# Altium PCB base-board_2.PcbDoc (part 2 of 3) (continued)
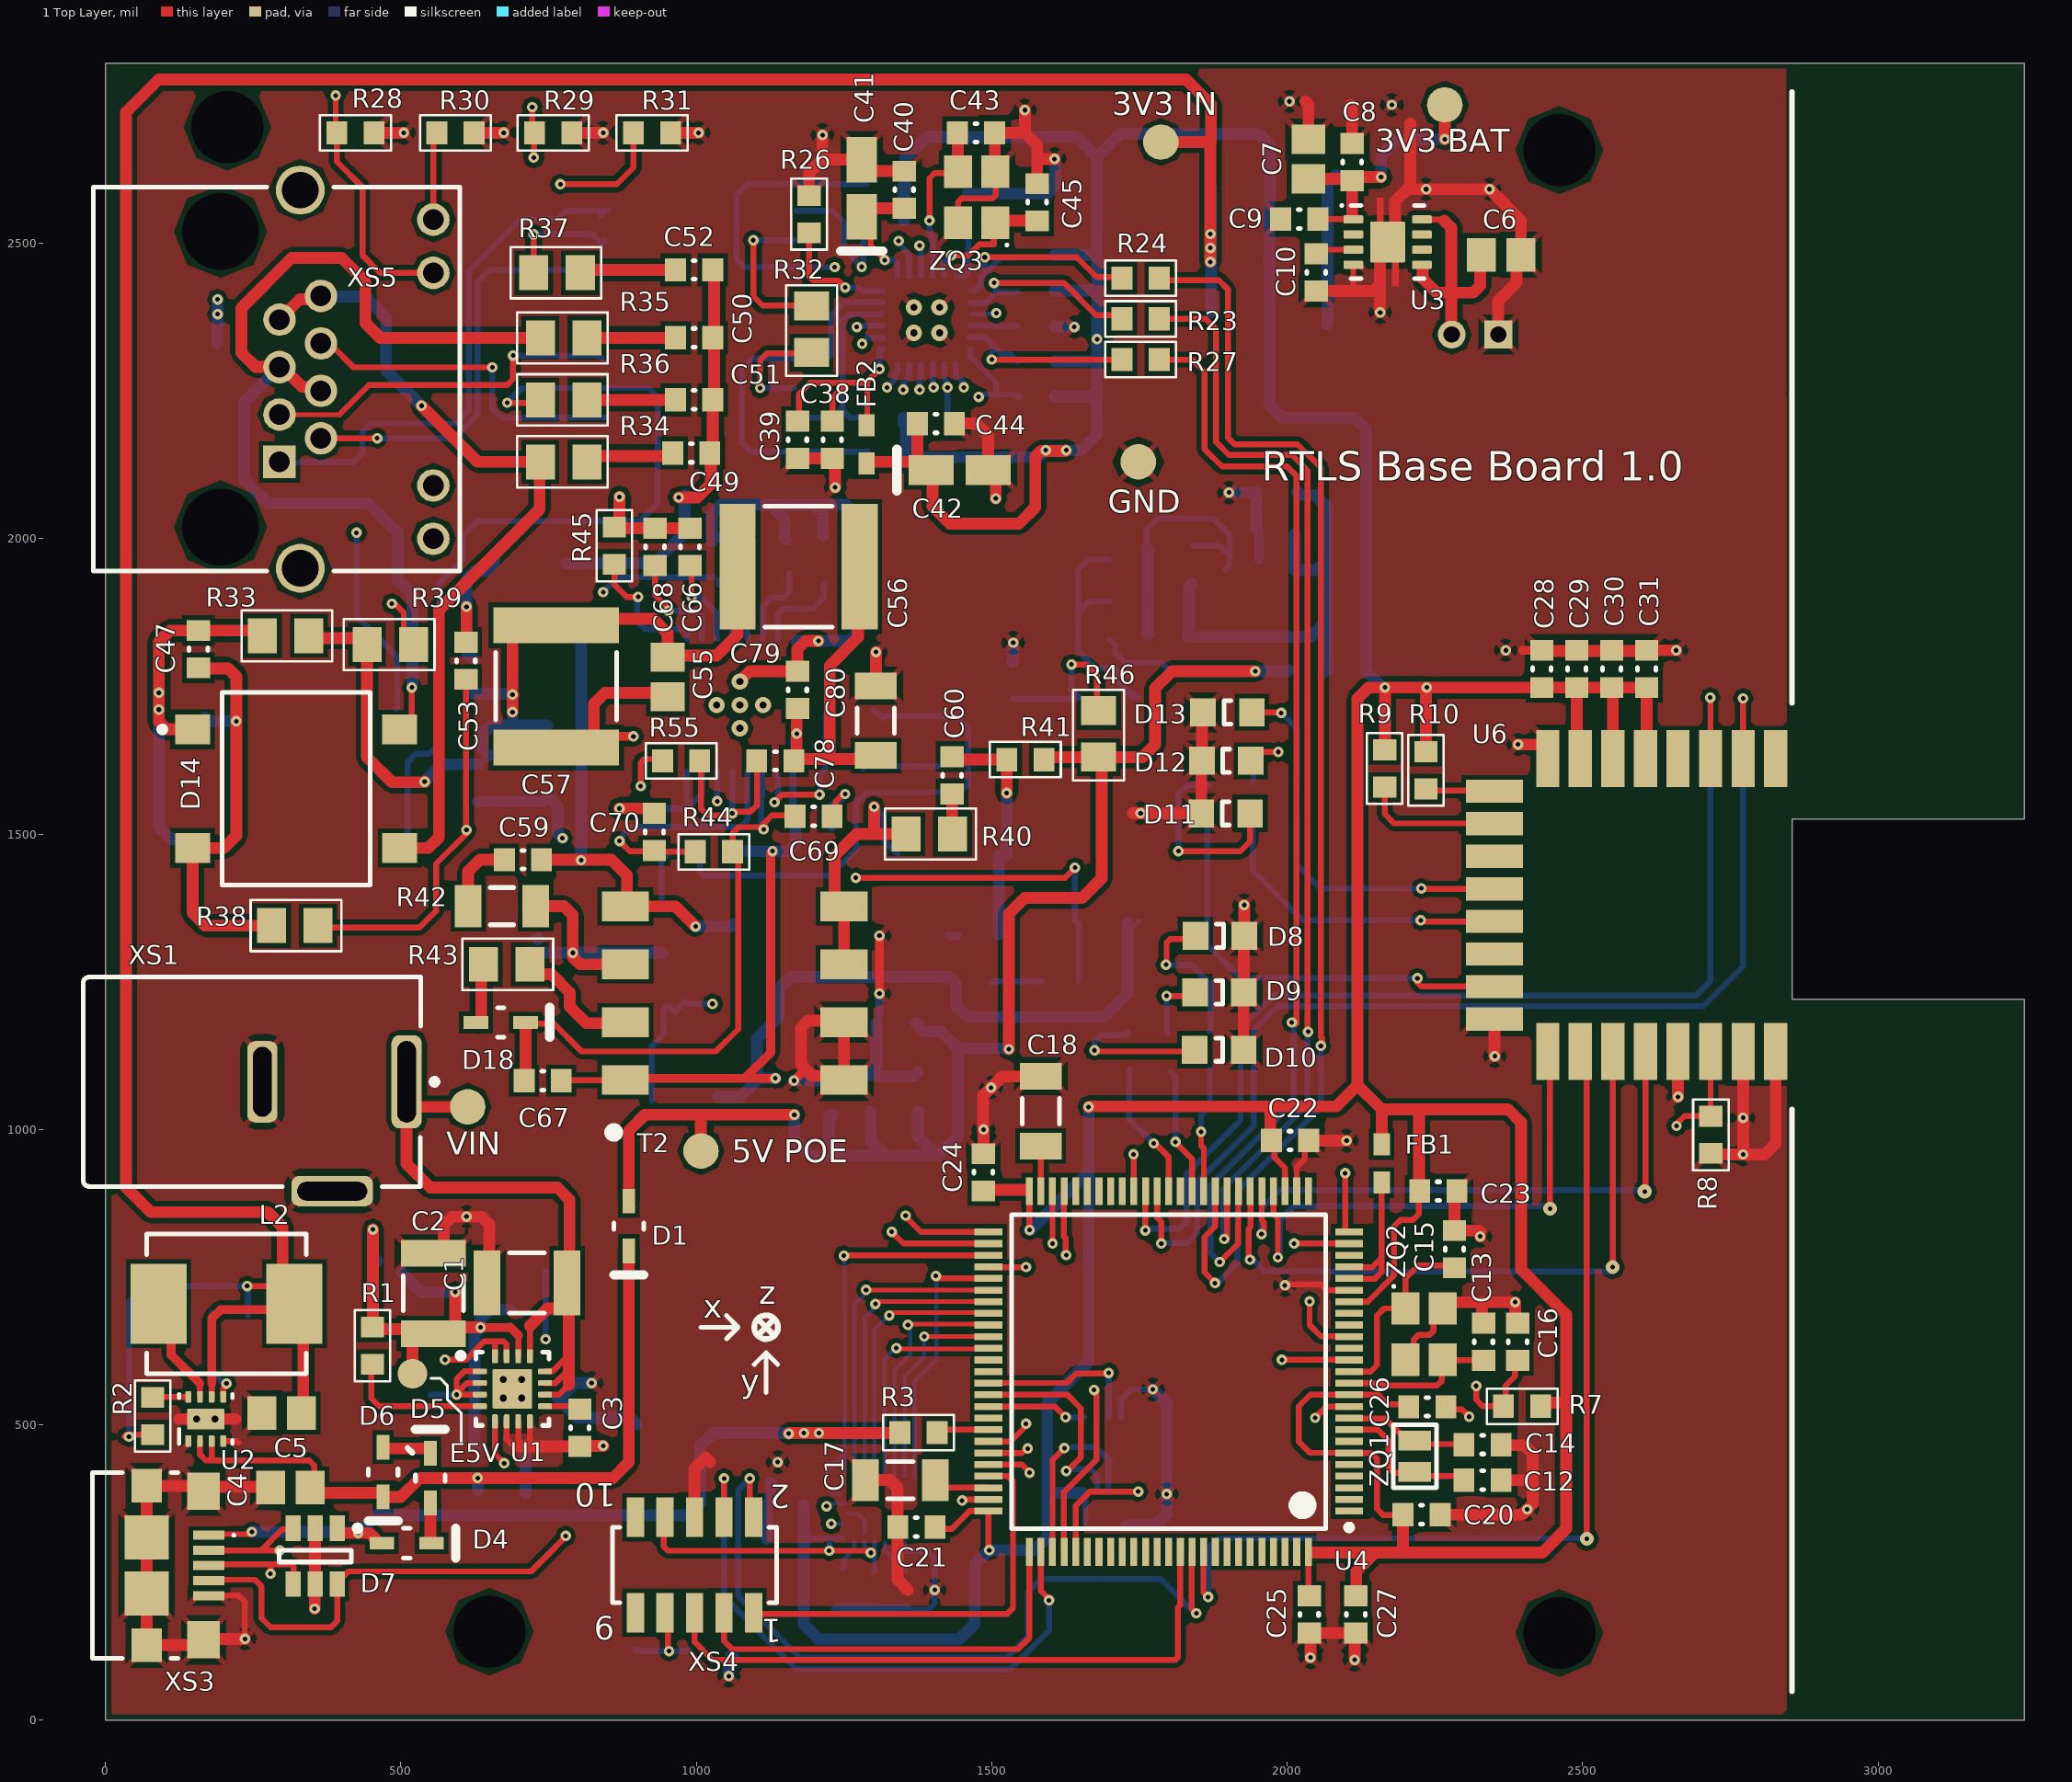
[diagram p0: 1 Top Layer view]
## Nets (pads, with @x,y where several pads share a name; then routed paths per layer and width w, separated by ;. In a path a pad name is that pad's centre, name@x,y a point inside that pad or via, vN(x,y) a via of type N, cw(c..) or ccw(c..) an arc to the next point about the centre after c; other vN are vias at no path point) (continued)
NetC72_2: C72.2 R39.1 U9.4 | length 757.7
  1 Top Layer w10: v1(485,1890) 490,1890 505,1875 505,1837.52 R39.1@521.65,1820.87
  2 Signal Layer w10: v1(485,1890) 540,1890 560,1910 841.97,1910 v1(842.52,1909.45)
  4 Bottom Layer w10: v1(842.52,1909.45) 868.11,1935.04 C72.2@1028.54,1935.04 ; C72.2@1038.39,1929.13 1038.39,1922.24 1061.02,1899.61 U9.4@1061.02,1830.71
NetC73_2: C73.2 U9.6 | length 142.1
  4 Bottom Layer w10: U9.6@1112.2,1830.71 1112.2,1884.84 1126.97,1899.61 1127.25,1899.89 1147.92,1899.89 1157.48,1909.45 C73.2@1157.48,1941.93
NetC74_1: C74.1 R54.2 R56.1 R59.1 R60.1 U11.4 | length 809.4
  4 Bottom Layer w20: R56.1@1832,1833.5 2039.5,1833.5 2068,1862 ; R56.1@1834,1834.5 1834,1918 C74.1@1839,1923 ; R59.1@2013,2008 2013,1946.85 2049.85,1946.85 2068,1965 ; R60.1@2017,2080 2023,2074 2047,2074 2068,2053 2068,1965 ; R54.2@2061.08,1773.09 R54.2@2068,1780.02 ; R54.2@2069,1778 2068,1779 R54.2@2068,1780.02 ; R54.2@2068,1780.02 2068,1862 ; 2068,1862 2068,1965
NetC74_2: C74.2 C76.1 C77.1 R53.1 U11.3 | length 474.1
  4 Bottom Layer w10: R53.1@1762,1983 1762,2015 1781,2034 1875,2034 1902,2007 1902,1971 ; C74.2@1840,1988 1885,1988 1894.68,1978.31 1902,1971 ; U11.3@1894.68,1946.85 1902,1954.17 1902,1971
  4 Bottom Layer w20: R53.1@1762.5,1983 1764,1981.5 C76.1@1764,1891.01 ; C76.1@1762.99,1894 1764,1893 C76.1@1764,1891 ; C77.1@1765,1838 1764,1839 C76.1@1764,1891 ; C76.1@1765,1890 C76.1@1764,1891
NetC75_2: C75.2 R48.1 | length 86.3
  4 Bottom Layer w10: C75.2@1499,1249 C75.2@1500,1250 1501,1251 R48.1@1584.5,1251
NetC76_2: C76.2 R53.2 U10.2 | length 430
  4 Bottom Layer w10: C76.2@1698,1894 1665,1894 1646,1875 ; R53.2@1698,1964 1663,1964 1646,1947 1646,1875 ; U10.2@1717.96,1755.52 U10.2@1723,1750.48 ; U10.2@1739,1739 1734.48,1739 U10.2@1723,1750.48 ; U10.2@1748,1730.5 1738.5,1730.5 1723,1746 U10.2@1723,1750.48 ; 1646,1875 1646,1810 1675.5,1780.5 1707.69,1780.5 1723,1765.19 U10.2@1723,1750.48
NetC77_2: C77.2 R56.2 | length 168.4
  4 Bottom Layer w10: C77.2@1700,1829 1709,1820 1709,1806.75 1725.75,1790 1788,1790 1806,1772 R56.2@1837,1772
NetC78_2: C78.2 R55.1 U9.13 | length 339.3
  1 Top Layer w10: R55.1@1008,1626 1008,1543 1019.5,1531.5 1057.5,1531.5 v1(1061,1535) 1063.68,1537.68 1091.68,1537.68 1103,1549 C78.2@1103,1627
  4 Bottom Layer w10: v1(1061,1535) U9.13@1061.02,1606.3
NetD2_2: D2.2 D3.1 | length 77.8
  4 Bottom Layer w20: D2.2@711.42,462.6 711.42,385.04 D3.1@711.61,384.84
NetD4_2: D4.2 D5.1 | length 65.7
  1 Top Layer w20: D5.1@550,367.87 550,305 D4.2@552,303
NetD5_2: D5.2 D6.1 | length 87.5
  1 Top Layer w20: D6.1@470,460 549.37,460 550,459.37 D5.2@550,452.13
NetD8_2: D8.2 R4.1 | length 260
  1 Top Layer w10: v1(1795,1279) 1796,1280 1796,1316.14 1801.86,1322 1839.01,1322 D8.2@1844.93,1327.92
  4 Bottom Layer w10: v1(1795,1279) 1838,1279 1870,1247 1870,1168 R4.1@1869,1167
NetD9_2: D9.2 R5.1 | length 114.3
  1 Top Layer w10: v1(1796,1226) 1838,1226 D9.2@1844,1232
  4 Bottom Layer w10: v1(1796,1226) 1796,1165 R5.1@1798,1163
NetD10_2: D10.2 R6.1 | length 250.4
  1 Top Layer w10: v1(1674,1134) 1676,1132 1840.66,1132 D10.2@1843.66,1135
  4 Bottom Layer w10: v1(1674,1134) 1674,1149 1685,1160 1726,1160 R6.1@1731,1165
NetD11_2: D11.2 R11.1 | length 332
  1 Top Layer w10: v1(1816,1471) 1921,1471 1937.34,1487.34 D11.2@1937.34,1535
  4 Bottom Layer w10: v1(1816,1471) 1816,1568 1831,1583 R11.1@1869,1583
NetD12_2: D12.2 R12.1 | length 138.1
  1 Top Layer w10: D12.2@1938.34,1624 1953.34,1639 v1(1985,1639)
  4 Bottom Layer w10: R12.1@1942,1588 1943,1589 1943,1625 1957,1639 v1(1985,1639)
NetD13_2: D13.2 R13.1 | length 176.3
  1 Top Layer w10: D13.2@1940.34,1706 1989,1706 v1(1990,1705)
  4 Bottom Layer w10: v1(1990,1705) 2017,1678 R13.1@2017,1590
NetD14_3: D14.3 R34.2 XS5.7 XS5.8 | length 1411.6
  1 Top Layer w20: XS5.7@294.76,2370.71 329.18,2405.13 360.13,2405.13 XS5.8@365,2410 ; D14.3@498.03,1476.38 546.38,1476.38 564.45,1494.45 564.45,1879.45 735,2050 R34.2@735,2130 ; v2(535,2225) 630,2130 R34.2@735,2130 ; R34.2@736.26,2130 R34.2@735,2130
  4 Bottom Layer w20: XS5.8@360,2410 440,2410 475,2375 475,2285 v2(535,2225)
NetD14_4: D14.4 R35.2 XS5.4 XS5.5 | length 1781.8
  1 Top Layer w10: D14.4@498.03,1677.17 518.7,1697.83 v1(518.7,1748.03)
  1 Top Layer w20: XS5.5@294.76,2290.39 294.14,2291.02 253.98,2291.02 230,2315 230,2390 315,2475 400,2475 440,2435 440,2365 465,2340 R35.2@736.26,2340 R35.2@745,2340 ; XS5.5@300,2290 333.04,2256.96 358.12,2256.96 XS5.4@364.84,2250.24 ; XS5.4@348.62,2255.98 355,2249.6 XS5.4@355,2240
  4 Bottom Layer w10: v1(518.7,1748.03) 518.7,1775.59
  4 Bottom Layer w20: XS5.5@294.76,2290.39 235,2230.63 235,2100 275,2060 445,2060 495,2010 495,1930 520,1905 v1@520,1755
NetD15_3: D15.3 R37.2 T1.15 | length 1323.7
  1 Top Layer w10: R37.2@725,2455 v1(725,2515)
  2 Signal Layer w10: v2(425,2010) 425,2345 450,2370 700,2370 725,2395 v1(725,2515)
  4 Bottom Layer w10: v2(425,2010) 425,1869.29 494.09,1800.2 494.09,1713.84 D15.3@492.13,1711.87 ; D15.3@485.47,1691.07 492.13,1684.42 D15.3@492.13,1670.28 ; v1(725,2515) 825,2515 840,2500 T1.15@845,2505 ; T1.15@840.35,2499.02 T1.15@846.46,2505.12
NetD15_4: D15.4 R36.2 T1.10 | length 1431.1
  1 Top Layer w10: v2(680,2230) 731.26,2230 R36.2@736.26,2235
  4 Bottom Layer w10: D15.4@510,1489.21 511.39,1490.6 511.39,1621.62 525.59,1635.83 548.23,1635.83 565,1652.6 565,1925 605,1965 605,2005 630,2030 905,2030 935,2060 935,2240 920,2255 705,2255 v2(680,2230)
NetD18_1: D18.1 R43.1 | length 107.4
  1 Top Layer w10: 636,1248.03 R43.1@636,1280
  1 Top Layer w20: D18.1@627.17,1181.1 635.37,1181.1 636,1181.73 636,1248.03
NetD19_1: D19.1 R50.2 R58.2 VT1.1 | length 1007.9
  4 Bottom Layer w10: VT1.1@941,1391 941,1455 957,1471 R58.2@1006.5,1471 1006.5,1435.35 1012.36,1429.5 1226.5,1429.5 1270,1473 1270,1552 1289,1571 1446,1571 1460,1585 1460,1680 1440,1700 D19.1@1410,1700 ; R50.2@1300,1710 1310,1700 R50.2@1312,1700 ; R50.2@1311,1701 R50.2@1312,1700 ; R50.2@1316,1696 R50.2@1312,1700 ; D19.1@1405,1700 R50.2@1312,1700
NetD19_2: D19.2 R52.2 | length 128.6
  4 Bottom Layer w10: R52.2@1283,1611 1286.87,1614.87 D19.2@1410,1614.87
NetFB1_1: FB1.1 U4.21 U4.22 | length 271.1
  1 Top Layer w10: U4.21@2104.8,747.76 2105.56,747 2148,747 2160,759 2160,783 ; U4.22@2107,767 2144,767 2160,783 ; FB1.1@2160,910 2160,783
NetL1_1: L1.1 U1.1 U1.2 U1.3 | length 199.5
  1 Top Layer w10: v1(594.49,551.18) 597.44,551.18 v1@598.43,550.2 ; v1@599.41,551.18 U1.3@633.86,551.18 ; U1.2@633.86,570.87 612.2,570.87 594.49,553.15 594.49,577.76 607.28,590.55 U1.1@633.86,590.55
  4 Bottom Layer w10: L1.1@550.2,550.2 551.18,551.18 v1(594.49,551.18)
NetL2_1: L2.1 U2.7 | length 180.4
  1 Top Layer w10: L2.1@83.11,754.98 L2.1@92.11,745.98 ; 160,570 160.16,569.84 U2.7@160.16,547.4 U2.7@160.08,547.48
  1 Top Layer w15: L2.1@100,690 111.21,678.79 111.21,618.79 160,570
NetR1_1: R1.1 U1.4 | length 252.9
  1 Top Layer w10: R1.1@450,600 450,545 463.5,531.5 U1.4@633.86,531.5 ; R1.1@454,602.5 R1.1@460,608.5
NetR2_1: R2.1 U2.8 | length 61.5
  1 Top Layer w10: R2.1@80,545 82.4,547.4 U2.8@140.47,547.4
NetR3_2: R3.2 U4.68 | length 83.6
  1 Top Layer w10: R3.2@1411,492 1411.15,491.85 U4.68@1494.57,491.85
NetR8_2: R8.2 U4.41 U6.22 | length 1201.8
  1 Top Layer w10: v1(1740,958) 1740,900 U4.41@1741,899 ; v1(2659,1006) 2659,1009 2672.5,1022.5 R8.2@2716.54,1022.5 ; R8.2@2716.54,1020 R8.2@2716.54,1022.5 ; U6.22@2716.54,1131.89 R8.2@2716.54,1022.5 ; R8.2@2717,1022.5 R8.2@2716.54,1022.5
  2 Signal Layer w10: v1(1740,958) 1740,987 1768.75,1015.75 2649.25,1015.75 v1(2659,1006)
NetR9_1: R9.1 U6.10 | length 241.4
  1 Top Layer w10: R9.1@2153,1578 2165,1566 2165,1534 2181,1518 2350.11,1518 U6.10@2350.59,1517.52
NetR10_1: R10.1 U6.9 | length 127.2
  1 Top Layer w10: R10.1@2224,1574 2349.23,1574 U6.9@2350.59,1572.64
NetR18_1: R18.1 R23.1 U8.8 | length 349.1
  1 Top Layer w10: v1(1503.94,2433.07) 1622.05,2433.07 1676.73,2378.39 1712.61,2378.39 R23.1@1718,2373
  4 Bottom Layer w10: U8.8@1464.11,2399.53 1490.08,2399.53 1507.87,2417.32 ; v1@1500,2433.07 1500,2432.47 v1@1503.94,2428.53 ; v1(1503.94,2433.07) 1503.94,2430.98 1507.87,2427.05 1507.87,2417.32 ; R18.1@1543.31,2417.32 1507.87,2417.32
NetR19_1: R19.1 R24.1 U8.7 | length 380.9
  1 Top Layer w10: v1(1488.19,2476.38) 1643.79,2476.38 1677.17,2443 1718,2443 R24.1@1719,2444
  4 Bottom Layer w10: U8.7@1464.11,2419.21 1471.91,2419.21 1482,2429.3 1482,2442.63 1488.19,2448.82 ; v1(1488.19,2476.38) 1488.19,2448.82 ; 1515.02,2475.65 1539.65,2475.65 R19.1@1540,2476 ; 1515.75,2476.38 1488.19,2448.82
NetR20_1: R20.1 R27.1 U8.11 | length 352.7
  1 Top Layer w10: v1(1500,2303.15) 1500.15,2303 R27.1@1720,2303
  4 Bottom Layer w10: U8.11@1462,2341 1489,2341 1507.52,2322.48 ; v1(1500,2303.15) 1500,2314.96 ; 1504,2325 1500,2321 1500,2314.96 ; R20.1@1543.5,2300 1530.95,2312.56 1517.44,2312.56 1507.52,2322.48 ; 1500,2314.96 1507.52,2322.48
NetR21_1: R21.1 U4.25 U8.12 | length 2206.6
  1 Top Layer w10: v1(2098,926) 2098,831 U4.25@2099,830
  2 Signal Layer w10: v1(1478,2240) 1467,2229 1467,946 1487,926 v1(2098,926)
  4 Bottom Layer w10: U8.12@1464.11,2320.79 1464.11,2307.54 1507.87,2263.78 1507.87,2246.11 1505.86,2244.09 ; v1@1476.38,2240.16 v1@1477.84,2240.16 ; v1@1476.38,2241.62 v1@1477.84,2240.16 ; R21.1@1543.5,2240 R21.1@1544,2240 ; R21.1@1547.24,2240.16 1543.31,2244.09 1505.86,2244.09 ; v1@1477.84,2240.16 1480.25,2240.16 1484.18,2244.09 1505.86,2244.09
NetR22_1: R22.1 U4.24 U8.14 | length 2175.6
  1 Top Layer w10: v1(2011.81,807.09) 2097.91,807.09 U4.24@2098,807
  2 Signal Layer w10: v1(1425.2,2255.91) 1425.2,909.45 1455.36,879.28 1986.86,879.28 2009.57,856.57 2011.81,854.33 v1(2011.81,807.09)
  4 Bottom Layer w10: U8.14@1419.53,2295.89 1419.72,2295.69 1419.72,2269.26 1425.2,2263.78 v1(1425.2,2255.91) 1425.2,2215.38 1424.08,2214.26 1424.67,2213.67 R22.1@1424,2213
NetR23_2: R23.2 U4.33 | length 1913.6
  1 Top Layer w10: R23.2@1783.46,2372.05 1862.2,2372.05 1879.92,2354.33 1879.92,2163.39 1901.57,2141.73 2007.87,2141.73 2034.45,2115.16 2034.45,1163.39 2035.43,1164.37 v1(2035.43,1165.35) ; v1@1897,814 1898,815 1898,895.28 U4.33@1898.11,895.39
  4 Bottom Layer w10: v1(1893.5,814.5) 1892,816 1892,899.87 2034.45,1042.32 2034.45,1160.43 v1@2036.42,1162.4
NetR24_2: R24.2 U4.34 | length 2183.3
  1 Top Layer w10: R24.2@1783.46,2440.94 1786.78,2437.63 1884.22,2437.63 1899.61,2422.24 1899.61,2171.26 1911.13,2159.73 2017.43,2159.73 2057.29,2119.87 2057.29,1156.3 2059.06,1154.54 2059.06,1143.7 v1(2057.09,1141.73) ; v1(1877.95,740.16) 1860.14,757.97 1860.14,818.14 1877.95,835.95 1877.95,895.67 U4.34@1878.94,896.65
  4 Bottom Layer w10: v1(1877.95,740.16) 1881.89,740.16 1915.15,773.42 1915.15,788.58 1916,789.43 1916,896.31 2057.09,1037.4 v1(2057.09,1141.73)
NetR25_2: R25.2 U8.10 | length 79.5
  4 Bottom Layer w10: U8.10@1464,2360 R25.2@1543.5,2360
NetR26_2: R26.2 U8.24 | length 209
  1 Top Layer w10: R26.2@1190.94,2517.72 1190.94,2443.9 1197.83,2437.01 1240.16,2437.01 v1(1251.97,2425.2)
  4 Bottom Layer w10: v1(1251.97,2425.2) 1275.59,2425.2 1281.57,2419.21 U8.24@1315.89,2419.21
NetR27_2: R27.2 U4.32 | length 1932.1
  1 Top Layer w10: R27.2@1783.46,2303.15 1839.57,2303.15 1860.24,2282.48 1860.24,2151.57 1889.76,2122.05 2000,2122.05 2015.75,2106.3 2015.75,1179.13 2014.94,1178.32 2012.16,1181.1 v1(2007.87,1181.1) ; v1(1885.83,775.59) 1916.83,806.6 1916.83,839.34 1917.32,839.83 1917.32,894.68 U4.32@1918.31,895.67
  4 Bottom Layer w10: v1(1885.83,775.59) 1870.08,791.34 1870.08,905.51 2010.83,1046.26 2010.83,1178.15 v1(2007.87,1181.1)
NetR32_1: R32.1 T1.2 | length 274.2
  1 Top Layer w10: v1(1096.65,2505.12) 1096.65,2410.24 1112.2,2394.68 R32.1@1199.8,2394.68
  4 Bottom Layer w10: v1(1096.65,2505.12) T1.2@1166.34,2505.12
NetR32_2: R32.2 T1.7 | length 195.4
  1 Top Layer w10: v1(1108,2255) 1108,2302 1120,2314 1186,2314 R32.2@1191,2309
  4 Bottom Layer w10: v1(1108,2255) 1166.22,2255 T1.7@1166.34,2255.12
NetR45_1: R45.1 U9.1 | length 226.8
  1 Top Layer w10: R45.1@859.25,1954.72 861.66,1952.31 861.66,1921.8 881.89,1901.57 v1(901.57,1901.57)
  4 Bottom Layer w10: v1@899.61,1899.61 899.61,1860.24 913.1,1846.74 982.51,1846.74 984.25,1844.99 U9.1@984.25,1830.71
NetR48_2: R48.2 U9.14 U10.4 | length 955
  1 Top Layer w10: v1(1270,1426) 1624,1426 v1(1641,1443)
  2 Signal Layer w10: v1(1035.43,1555.57) 1097.98,1555.57 1129.54,1524 1257,1524 1270,1511 v1(1270,1426)
  4 Bottom Layer w10: v1(1035.43,1555.57) U9.14@1035.43,1606.3 ; U10.4@1641,1353 v1(1641,1443) ; R48.2@1647.5,1251 1647.5,1348.5 U10.4@1648,1349
NetR49_2: R49.2 U9.5 | length 107.2
  4 Bottom Layer w10: U9.5@1086.61,1830.71 1086.61,1928.15 R49.2@1093.5,1935.04
NetR50_1: R50.1 R52.1 U9.10 | length 267
  1 Top Layer w10: v1(1132.43,1553.91) 1132.43,1554.43 1144.93,1566.93 v1(1208.66,1566.93)
  4 Bottom Layer w10: v1@1132.09,1554.24 v1(1132.43,1553.91) 1132.43,1555.99 1137.8,1561.36 U9.10@1137.8,1598.43 ; v1(1208.66,1566.93) 1208.66,1600.66 R52.1@1219,1611 ; R52.1@1218.5,1614.17 1218.5,1701.5 R50.1@1220,1703
NetR51_2: R51.2 U9.7 | length 154.5
  4 Bottom Layer w10: U9.7@1137.8,1830.71 1137.8,1872.64 1147.04,1881.89 1197.83,1881.89 1215.55,1899.61 1215.55,1923.23
NetR55_2: R55.2 R57.2 VT1.3 | length 776.5
  1 Top Layer w10: v1(906,1581) 906,1621 912,1627 935,1627 R55.2@942,1620
  2 Signal Layer w10: v1(906,1581) 943,1581 1031.5,1492.5 1031.31,1492.31 1031.5,1492.13 1031.5,1216.54 v1(1027.56,1212.6)
  4 Bottom Layer w10: R57.2@924.91,1048 924.91,1141.45 944.88,1161.42 944.88,1204.72 VT1.3@948.82,1208.66 ; VT1.3@955,1208 VT1.3@964.57,1198.43 ; VT1.3@967.37,1203.59 980.31,1216.54 984.25,1212.6 v1(1027.56,1212.6)
NetR62_1: R62.1 R63.2 U1.5 | length 516.1
  1 Top Layer w10: U1.5@659.45,505.91 659.45,450.55 v1(675,435)
  2 Signal Layer w10: v1(675,435) 635,475 635,615 665,645 v2@742.91,645 ; v2(745,645) v2@747.09,645
  4 Bottom Layer w10: v2(745,645) 745,685 R62.1@750,690 ; R63.2@745,760 745,696.5 R62.1@746.5,695 ; R62.1@750,695 R62.1@755,690
NetR64_1: R64.1 R65.2 U2.5 | length 158.1
  1 Top Layer w10: U2.5@199.53,547.4 199.53,562.44 205,567.91 v2(205,570)
  4 Bottom Layer w10: R64.1@180,690 180,590 200,570 v2(205,570)
NetU4_16: U4.16 U8.13 | length 2270
  1 Top Layer w10: v1(2038,709) 2038,669 2057,650 U4.16@2105,650
  2 Signal Layer w10: v1(1452.76,2255.91) 1444.88,2248.03 1444.88,929.13 1472.44,901.57 1484.25,901.57 ; 1485.1,901.57 2007.87,901.57 2035.43,874.02 2035.43,712.6 v1@2039.37,708.66
  4 Bottom Layer w10: U8.13@1439.21,2295.89 1439.21,2277.32 1452.76,2263.78 v1(1452.76,2255.91)
NetU4_39: U4.39 U6.2 | length 1973.2
  1 Top Layer w10: U4.39@1780,893 1780,851 1787,844 v1(1787,807) ; v1@2771.35,1725.35 2771.35,1729.35 v1(2771.65,1729.65) U6.2@2771.65,1627.56
  4 Bottom Layer w10: v1(1787,807) 1788,808 1831,808 1848.14,825.14 1848.14,911.13 1925.48,988.47 1943.5,1006.49 1943.5,1167.91 1984.25,1208.66 2704.72,1208.66 2771.65,1275.59 v1(2771.65,1729.65)
NetU4_40: U4.40 U6.3 | length 1912.7
  1 Top Layer w10: v1(1760,829) 1760,888 U4.40@1761,889 ; v1(2716,1731) 2716.54,1730.46 U6.3@2716.54,1627.56
  4 Bottom Layer w10: v1(1760,829) 1762.86,831.86 1817.86,831.86 1830.14,844.14 1830.14,924.63 1921.26,1015.75 1921.26,1149.28 ; 1921.26,1149.61 1921.26,1171.13 1976.8,1226.66 2691.66,1226.66 2716,1251 v1(2716,1731)
NetU4_47: U4.47 U7.2 | length 980.6
  1 Top Layer w10: v1@1621,788 1624.86,791.86 1624.86,816.05 1622.05,818.87 1622.05,894.92 U4.47@1622.52,895.39
  2 Signal Layer w10: v1(1228.35,332.68) 1201.77,332.68 1189.96,344.49 1189.96,406.5 1207.68,424.21 1430.12,424.21 1467.52,461.61 1467.52,723.43 1531.5,787.4 v1(1625.98,787.4)
  4 Bottom Layer w7: v1@1228.46,332.56 U7.2@1246.06,332.56
  4 Bottom Layer w10: v1(1228.35,332.68) v1@1228.46,332.56
NetU4_48: U4.48 U8.16 | length 1779.1
  1 Top Layer w10: v1(1603,807) U4.48@1603,892
  2 Signal Layer w10: v1(1377.95,2251.97) 1377.95,830.05 1401,807 v1@1595.72,807
  4 Bottom Layer w10: v1(1377.95,2251.97) 1377.95,2271.65 1380.16,2273.86 U8.16@1380.16,2295.89
NetU4_51: U4.51 U8.17 | length 1611.9
  1 Top Layer w10: v1(1354.33,854.33) 1354.33,850.39 1355.32,849.41 1357.28,849.41 1379.92,826.77 U4.51@1496.23,826.77 ; U4.51@1495.6,827.4 U4.51@1496.23,826.77 ; U4.51@1499.02,826.77 U4.51@1496.23,826.77
  2 Signal Layer w10: v1(1350.39,2251.97) 1354.33,2248.03 v1(1354.33,854.33) 1354.33,851.99 v1@1355.92,850.39
  4 Bottom Layer w10: v1(1350.39,2251.97) 1351.48,2251.97 1351.48,2264.86 1360.47,2273.86 U8.17@1360.47,2295.89
NetU4_52: U4.52 U8.18 | length 1648.6
  1 Top Layer w10: v1(1330.71,826.77) 1350.39,807.09 1495.88,807.09 U4.52@1496,807.21
  2 Signal Layer w10: v1(1322.83,2255.91) 1328.86,2249.88 1328.86,828.62 v1(1330.71,826.77)
  4 Bottom Layer w10: v1(1322.83,2255.91) 1324.5,2255.91 v1@1324.5,2257.57 ; v1@1328.54,2261.61 1334.65,2267.72 1334.65,2275.59 1340.79,2281.73 U8.18@1340.79,2295.89
NetU4_53: U4.53 U7.5 U7.6 | length 712.5
  1 Top Layer w10: v1@1250,783.46 1252.88,783.46 1256.54,787.13 U4.53@1494.57,787.13
  4 Bottom Layer w7: 1243.11,383.35 1231.65,383.35 1221.46,393.54 1221.46,421.26 1250,449.8 ; 1250.98,414.37 v1@1250.98,785.43
  4 Bottom Layer w10: v1(1250,786.42) v1@1250.98,785.43
NetU4_54: U4.54 U7.4 | length 744.1
  1 Top Layer w10: U4.54@1492.13,767.72 1493.11,766.73 1493.38,767 v1(1558,767)
  2 Signal Layer w10: v1(1220.47,362.2) 1392.72,362.2 1485.24,454.72 1485.24,693.9 1558,766.66 v1(1558,767)
  4 Bottom Layer w7: v1@1224.2,362.2 1228.42,366.42 U7.4@1250.89,366.42
  4 Bottom Layer w10: v1(1220.47,362.2) v1@1224.2,362.2
NetU4_55: U4.55 U7.13 | length 450
  1 Top Layer w10: v1(1405.51,751.97) 1405.51,749.02 1404.53,748.03 U4.55@1494.09,748.03
  4 Bottom Layer w7: U7.13@1369.39,411.42 1369.39,573.52 1406.19,610.32 1406.19,751.3 v1(1405.51,751.97)
NetU4_56: U4.56 U7.7 | length 530.8
  1 Top Layer w8: v1@1290.47,728.35 U4.56@1493.11,728.35
  1 Top Layer w10: v1(1287.4,728.35) v1@1290.47,728.35
  4 Bottom Layer w7: 1267.82,414.37 1267.82,703.84 v1@1290.35,726.38
  4 Bottom Layer w10: v1(1287.4,728.35) 1288.39,728.35 v1@1290.35,726.38
NetU4_57: U4.57 U7.8 | length 483.8
  1 Top Layer w6: v1(1303.15,704.72) v1@1307.26,708.83 ; 1337.95,708.83 1338.12,708.66
  1 Top Layer w8: v1@1307.26,708.83 1337.95,708.83 ; 1338.12,708.66 U4.57@1487.2,708.66
  4 Bottom Layer w7: 1284.74,414.37 1284.74,681.4 1303.15,699.8 v1(1303.15,704.72)
NetU4_58: U4.58 U7.9 | length 454.3
  1 Top Layer w6: v1(1326.77,685.04) 1326.77,686.02 v1@1329.9,689.15 ; U4.58@1495.89,689.15 U4.58@1496.06,688.98
  1 Top Layer w8: v1@1329.9,689.15 1330.9,690.15 1494.89,690.15 U4.58@1495.89,689.15
  4 Bottom Layer w7: 1301.18,414.37 1301.18,660.43 1325.79,685.04 v1(1326.77,685.04)
NetU4_59: U4.59 U7.11 | length 403.1
  1 Top Layer w6: v1(1358.27,669.29) v1@1358.44,669.46 ; U4.59@1491.95,669.46 U4.59@1492.13,669.29
  1 Top Layer w8: v1@1358.44,669.46 1359.44,670.46 1490.95,670.46 U4.59@1491.95,669.46
  4 Bottom Layer w7: 1335.53,414.37 1335.53,592.42 1362.52,619.41 1362.52,665.67 1358.89,669.29 v1(1358.27,669.29)
NetU4_60: U4.60 U7.12 | length 356.3
  1 Top Layer w8: v1(1385.83,649.61) U4.60@1493.11,649.61
  4 Bottom Layer w7: 1352.46,414.37 1352.46,581.79 1385.83,615.16 v1(1385.83,649.61)
NetU4_61: U4.61 U7.10 | length 383
  1 Top Layer w8: v1@1338.86,629.65 1339.76,628.75 1493.67,628.75 U4.61@1494.57,629.65
  1 Top Layer w10: v1(1338.58,629.92) v1@1338.86,629.65 ; U4.61@1494.57,629.65 U4.61@1495.79,629.65
  4 Bottom Layer w7: 1318.6,414.37 1318.6,611.91 1336.61,629.92 v1(1338.58,629.92)
POE1: C55.1 C56.1 C57.1 C58.2 C67.1 C75.1 C78.1 C79.1 C80.1 R47.1 R57.1 R58.1 T2.1 U9.9 U10.3 | length 3291.4
  1 Top Layer w10: C67.1@772,1080 775.53,1083.53 T2.1@880,1083.53 880.85,1082.68 T2.1@905.51,1082.68
  1 Top Layer w15: C57.1@854.33,1665.35 v1(893.7,1665.35) ; T2.1@901.57,1086.61 1082.68,1086.61 ; v1@1129.92,1472.44 1125.98,1468.5 1125.98,1129.92 1082.68,1086.61 ; v1(1133.86,1086.61) 1082.68,1086.61
  1 Top Layer w20: C57.1@853.35,1644.68 826.77,1671.26 826.77,1720.47 845.47,1739.17 944.88,1739.17 C55.1@951.77,1732.28 ; C78.1@1164,1627 C78.1@1170,1627 ; C79.1@1170,1705 v1(1170,1670) C78.1@1170,1627 ; C56.1@1274,1971 1274,1833 1226,1785 1226,1627 ; C80.1@1304,1632.89 1298.11,1627 1226,1627 ; C78.1@1170,1627 1226,1627
  2 Signal Layer w20: v1(893.7,1665.35) 922.24,1636.81 1136.81,1636.81 v1(1170,1670)
  4 Bottom Layer w10: U9.9@1164,1601.93 1164,1661.91 1170,1667.91 v1(1170,1670) ; U10.3@1738,1342 U10.3@1748,1352
  4 Bottom Layer w11.81: R47.1@1163.39,1519.39 U9.9@1163.39,1606.3
  4 Bottom Layer w20: R57.1@1035.43,1055.12 1074.8,1055.12 1102.36,1082.68 1102.36,1153.54 1139,1190.18 1139,1238 1159,1258 1429.01,1258 C75.1@1437.01,1250 1440,1247.01 1440,1210 1460,1190 1690,1190 1730,1230 U10.3@1730,1350 ; R58.1@1069.5,1471 v1(1129,1471) 1157,1471 1168,1482 R47.1@1168,1514 ; 1106.3,1090.55 1110.24,1086.61 v1(1133.86,1086.61)
POE2: R43.2 T2.2 | length 220.7
  1 Top Layer w20: R43.2@718.5,1279.53 718.5,1277.61 733.11,1263 754.72,1263 786,1231.72 786,1208 814,1180 T2.2@883,1180
POE3: R42.2 T2.3 VT1.2 VT1.4 | length 468
  1 Top Layer w10: R42.2@728,1382 R42.2@729,1381
  1 Top Layer w20: R42.2@728.35,1377.95 776.05,1377.95 791,1363 v1(791,1299) 791,1292 803.47,1279.53 T2.3@880,1279.53
  4 Bottom Layer w20: VT1.4@712.6,1299.21 v1@791,1299.21 ; VT1.4@731,1323 VT1.4@732,1322 ; v1(791,1299) v1@791,1299.21 ; VT1.2@943,1298 941.79,1299.21 VT1.2@940.94,1299.21 v1@791,1299.21
POE4: C58.1 C59.2 L3.1 T2.4 | length 785
  1 Top Layer w10: v1@997.54,1344.98 999.02,1346.46 v1(999.02,1343.5)
  1 Top Layer w20: C59.2@738.19,1456.69 856.3,1456.69 882.87,1430.12 T2.4@882.87,1377.53 ; T2.4@880,1377.53 T2.4@882.87,1377.53 ; v1@997.54,1344.98 964.99,1377.53 T2.4@882.87,1377.53
  4 Bottom Layer w20: v1(805.12,1455.71) L3.1@805.12,1829.72 ; v1(999.02,1343.5) 1060.04,1343.5 C58.1@1063.98,1347.44
POE5: D17.1 R40.1 T2.5 T2.6 | length 469.7
  1 Top Layer w20: T2.6@1250,1279.53 1250,1377 T2.5@1253,1380 ; T2.5@1250,1377.53 1249,1377.53 1234,1392.53 1234,1463 1271,1500 R40.1@1355,1500 R40.1@1356,1500 ; 1301,1505 v1(1301,1546)
  4 Bottom Layer w10: v1(1301,1546) 1302,1546 1317,1531 1317,1489 1317.35,1489.35 D17.1@1340.16,1466.54
RD_N: R17.1 T1.8 U8.22 | length 358.9
  4 Bottom Layer w10: T1.8@1165,2205 1230.43,2205 1245,2219.57 ; R17.1@1293.5,2204.72 R17.1@1287.4,2204.72 1259.84,2204.72 1248.03,2216.54 1248.03,2370.08 1257.95,2380 U8.22@1312.91,2380
RD_P: R16.1 T1.6 U8.23 | length 679.5
  4 Bottom Layer w10: R16.1@1289.34,2133.92 R16.1@1297.34,2141.92 ; R16.1@1290.5,2147 1093,2147 1077,2163 1077,2287 1095,2305 1222.32,2305 1228.35,2311.02 1228.35,2377.95 1250.39,2400 U8.23@1315,2400
RESET: C16.2 C19.2 R7.1 SB1.1 U4.14 U8.15 XS4.7 | length 4537.4
  1 Top Layer w10: XS4.7@949,181 952,178 952,117 v1(954,117) ; v1(1991,610) U4.14@2105,610 ; v1(2319.86,565.96) 2319.86,542.34 2330.71,531.5 R7.1@2366.14,531.5 2370.08,535.43 2370.08,566.93 2385.29,582.14 2385.29,604.29 C16.2@2390,609
  2 Signal Layer w10: v1@950.52,117.52 956.93,117.52 957.46,117 1966,117 1991,142 v1@1991,607.28 ; v1(1401.57,2255.91) 1405.51,2251.97 1405.51,881.89 1425.54,861.86 1628.14,861.86 1650,840 1650,670.87 1710.87,610 v1(1991,610) ; v1(2319.86,565.96) 2319.86,593.51 2318.89,594.48 2306.1,607.28 v1@1991,607.28 ; v1@1991,607.28 v1(1991,610) ; v1@1991,607.28 1988.28,607.28 v1(1991,610)
  4 Bottom Layer w10: SB1.1@896,119 898,117 v1(954,117) 984.01,117 C19.2@987.01,120 ; U8.15@1399.84,2295.89 1399.99,2295.74 1399.99,2257.49 v1(1401.57,2255.91)
RX_N: T1.9 XS5.6 | length 574.3
  1 Top Layer w10: XS5.6@365,2330 380,2330 420,2290 v2(655,2290)
  4 Bottom Layer w10: v2(655,2290) 655,2220 670,2205 789.76,2205 789.88,2205.12 T1.9@846.46,2205.12
RX_P: T1.11 XS5.3 | length 606.9
  1 Top Layer w8: XS5.3@300,2210 300.08,2210.08 396.29,2210.08
  1 Top Layer w10: 396.29,2210.08 446.21,2260 680,2260 690,2270 v2(690,2310)
  4 Bottom Layer w10: v2(690,2310) 835,2310 T1.11@840,2305
SPI3_MEM_CS: U4.66 U5.1 | length 173.3
  1 Top Layer w10: U4.66@1498,531 1607,531 v1(1625,513)
  4 Bottom Layer w10: v1@1621,512.99 U5.1@1656,512.99 ; v1@1622,515 1624,513 v1(1625,513)
SPI3_MISO: U4.79 U5.2 | length 347.6
  1 Top Layer w10: U4.79@1622,284 1622,385.78 1676.11,439.89 1677.17,440.94 1677.17,555.12 v1(1673.23,559.06)
  4 Bottom Layer w10: v1(1673.23,559.06) 1677.38,554.91 1677.38,513.77 U5.2@1678.16,512.99
SPI3_MOSI: U4.80 U5.5 | length 221.4
  1 Top Layer w10: U4.80@1642,288 1642,363 1666,387 v1(1748,387)
  4 Bottom Layer w10: U5.5@1717.53,387.01 1746.99,387.01 v1(1748,387)
SPI3_SCK: U4.78 U5.6 | length 303.2
  1 Top Layer w10: U4.78@1603,290 1603,440.6 v1(1623.03,460.63)
  4 Bottom Layer w10: 1636.6,462.6 1676.4,462.6 1697.84,441.16 U5.6@1697.84,387.01
SWCLK: U4.76 XS4.3 | length 726.7
  1 Top Layer w10: XS4.3@1047,182 1047,134.1 1060.74,120.36 1544.36,120.36 1564,140 U4.76@1564,288
SWDIO: U4.72 XS4.1 | length 701.9
  1 Top Layer w10: XS4.1@1098,180 1526,180 1536,190 1536,405 1527.89,413.11 U4.72@1494.57,413.11
TD_N: R15.1 T1.3 U8.20 | length 723.9
  2 Signal Layer w10: v1@1236.22,2459.65 1224.41,2447.83 1224.41,2355.27 1249.84,2329.84 1279.84,2329.84 v1@1280,2330
  4 Bottom Layer w5: v1(1280.89,2329.84) v1@1284.33,2334.84
  4 Bottom Layer w10: v1(1234.25,2459.65) 1081.69,2459.65 1067.91,2473.43 1067.91,2581.69 1086.22,2600 R15.1@1288.5,2600 ; v1@1284.33,2334.84 1289.96,2340.47 U8.20@1315.89,2340.47
TD_P: R14.1 T1.1 U8.21 | length 408.5
  2 Signal Layer w10: v1(1271.65,2358.26) 1279.53,2366.14 1279.53,2454.49 1281.48,2456.44 v1@1281.48,2459.63
  4 Bottom Layer w5: v1(1271.65,2358.26) 1279.31,2358.26 1281.2,2360.16 ; v1@1275,2465 1280,2465 1275,2460 v1(1280,2460) ; R14.1@1282.48,2527.48 R14.1@1285,2530
  4 Bottom Layer w10: T1.1@1170,2555 1230.43,2555 1250,2535.43 1250,2490 v1@1275,2465 ; v1(1280,2460) 1282.48,2462.48 R14.1@1282.48,2527.48 ; 1281.2,2360.16 U8.21@1315.89,2360.16
TRST: U4.90 XS4.2 | length 1315.8
  1 Top Layer w10: XS4.2@1090.55,365.27 v1(1090.55,409.45) ; XS4.2@1094,341 1095,342 1090,347 XS4.2@1094.49,351.49 ; U4.90@1839.06,285.16 1838.58,284.68 1838.58,188.98 v1(1846.46,181.1)
  4 Bottom Layer w10: v1(1090.55,409.45) 1070.87,389.76 1070.87,210.5 1175.36,106 1525.43,106 1561,141.57 1561,217 1583,239 1786.11,239 1844.01,181.1 v1(1846.46,181.1)
TX_N: T1.14 XS5.2 | length 735.5
  1 Top Layer w10: XS5.2@364.84,2169.92 459.92,2169.92 v1(460,2170)
  4 Bottom Layer w10: v1(460,2170) 460,2170.28 460.28,2170 590,2170 630,2210 630,2435 650,2455 846.34,2455 T1.14@846.46,2455.12 849.88,2455.12 T1.14@850,2455
TX_P: T1.16 XS5.1 | length 901.4
  4 Bottom Layer w10: XS5.1@294.76,2129.76 295.04,2129.49 419.49,2129.49 435,2145 435,2180 450,2195 593.79,2195 615,2216.21 615,2452.97 702.03,2540 765,2540 780,2555 ; 780.84,2554.16 781.8,2555.12 T1.16@846.46,2555.12 T1.16@846.34,2555 ; T1.16@838.72,2547.38 T1.16@846.34,2555 ; T1.16@850,2555 T1.16@846.34,2555
USB_D_N: D7.3 U4.70 XS3.2 | length 1704
  1 Top Layer w10: XS3.2@176,287 176.4,287.4 v1(295.28,287.4) ; 265.19,288.81 299.38,323 D7.3@318,323 ; U4.70@1494.57,452.48 1551.39,452.48 1558.91,460 v1(1561,460) v1@1562,460
  2 Signal Layer w10: v1(295.28,287.4) 319.65,263.03 1517.03,263.03 1534.5,280.5 1534.5,432.09 1561,458.59 v1(1561,460)
USB_D_P: D7.4 U4.71 XS3.3 | length 1706.6
  1 Top Layer w10: XS3.3@175.16,262.01 176.93,263.78 275.59,263.78 279.53,263.78 ; v1(279.53,248.03) 279.53,263.78 ; D7.4@317,232 316.69,232.31 318.9,234.51 318.9,259.53 314.65,263.78 279.53,263.78 ; U4.71@1494.77,433 U4.71@1494.57,432.79 1551.21,432.79 v1@1565,419
  2 Signal Layer w10: v1(279.53,248.03) 1537.03,248.03 1564,275 v1(1564,419)
USB_ID: D7.6 U4.69 XS3.4 | length 1757.9
  1 Top Layer w10: XS3.4@177,238 177.09,237.91 253.09,237.91 264,227 264,173.01 279.53,157.48 381.89,157.48 392.4,167.99 D7.6@392.4,230.51 392.4,233.2 411.17,251.97 720.47,251.97 746.06,277.56 779,310.5 v1(779,312) ; U4.69@1498,472 1532,472 1558.07,498.07 v1(1558.07,501.97)
  2 Signal Layer w10: v1(779,312) 780,313 1462.61,313 1515,365.39 1515,459.88 1557.09,501.97 v1(1558.07,501.97)
USB_VBUS: D4.1 D7.1 R3.1 XS3.1 | length 1439.5
  1 Top Layer w10: XS3.1@181.01,314.96 248.96,314.96 251.97,317.97 251.04,318.9 v1(248.03,318.9)
  1 Top Layer w20: D7.1@392,317 v1(428,317) 446.78,317 457.01,306.77 457.01,300.63 457.64,300 D4.1@467.87,300 ; v1(1156.5,485.24) 1157.48,486.22 v1(1182.09,486.22) v1(1207.68,486.22) 1339.78,486.22 R3.1@1343,483
  4 Bottom Layer w20: v1(248.03,318.9) 424.1,318.9 427,316 v1(428,317) 458,347 986,347 1007,368 1007,465 1028.22,486.22 v1(1182.09,486.22) v1(1207.68,486.22)